# Altium PCB MBoard.PcbDoc (part 1 of 2) (continued)
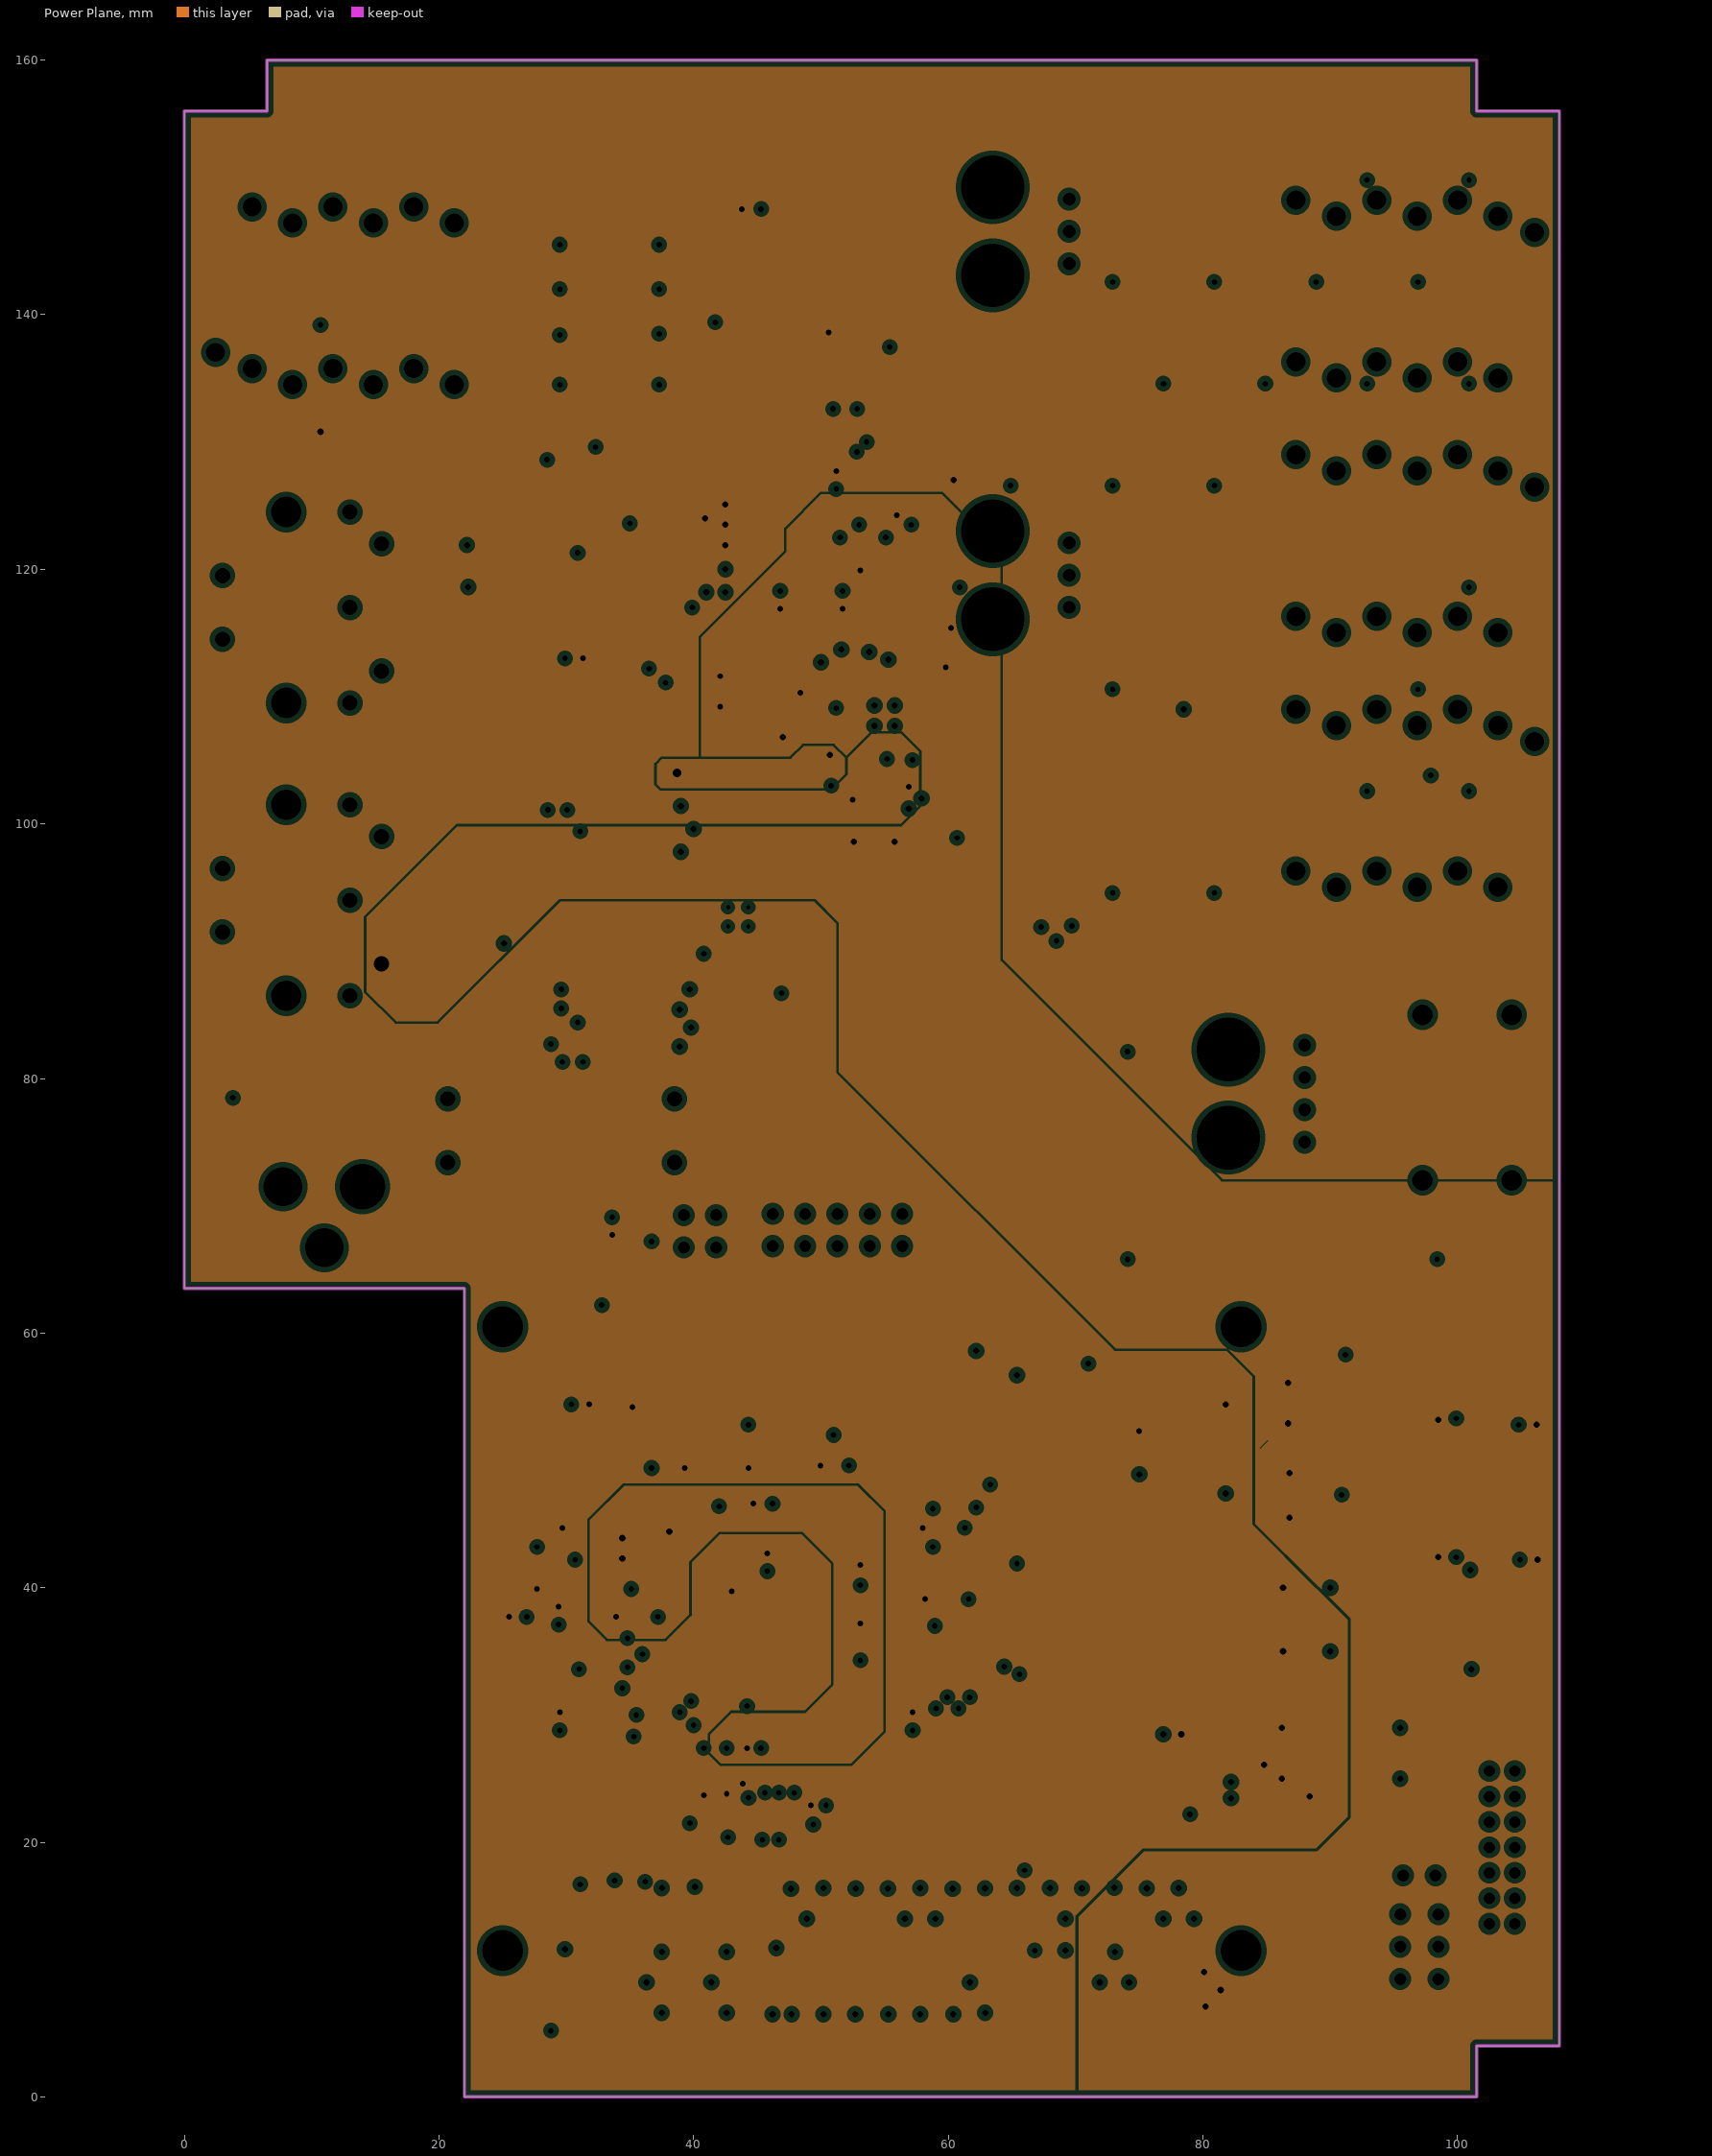
[diagram p3: Power Plane, clearances drawn from the general rule]

## Layer stack, top to bottom
Top Solder: solder mask 0.01, Solder Resist, Dk 3.5
Top Layer: signal copper 0.018
Dielectric 1: prepreg 0.127, FR-4, Dk 4.2
Ground Plane: plane copper 0.035, net (Multiple Nets)
Dielectric 3: core 0.254, FR-4, Dk 4.2
Power Plane: plane copper 0.035, net (Multiple Nets)
Dielectric 4: prepreg 0.127, FR-4, Dk 4.2
Bottom Layer: signal copper 0.018
Bottom Solder: solder mask 0.01, Solder Resist, Dk 3.5

## Board outline
0,63.5 0,156 6.5,156 6.5,160 101.5,160 101.5,156 108,156 108,4 101.5,4 101.5,0 22,0 22,63.5

## Design rules (kind name [scope] priority, off if disabled: settings)
Clearance "Fiducial Mark" [HasFootprint('FIDUCIAL_MARK')] p1: gap=0.5
Clearance Clearance-xPP-xTP-xTT [All] p2: gap=0.15
ComponentClearance [All] p1: gap=0.25 collisioncheckmode=3 verticalgap=0.25 showdistances=FALSE
DiffPairsRouting [All] p1: maxlimit=0.25 minlimit=0.25 mostfreqgap=0.25 toplayer_minwidth=0.381 toplayer_maxwidth=0.381 toplayer_prefwidth=0.381 bottomlayer_minwidth=0.381 bottomlayer_maxwidth=0.381 bottomlayer_prefwidth=0.381 maxuncoupledlength=12.5
Height [All] p1: minheight=0 maxheight=40 prefheight=12.5
HoleSize HoleSize-PTH [All] p1: absolutevalues=TRUE maxlimit=5 minlimit=0.25 maxpercent=80.000 minpercent=20.000
HoleToHoleClearance [All] p1: gap=0.15 allowstackedmicrovias=TRUE
MinimumAnnularRing "Minimum IAR  >0.45mm" [((ObjectKind = 'Pad') OR (ObjectKind = 'Via')) And (Layer = 'MultiLayer') And (HoleDiameter > AsMM(0.45))] p1: minimumring=0.25 // minimum inner annular ring for pads > 0.45mm finished hole size
MinimumAnnularRing "Minimum IAR <=0.45mm" [((ObjectKind = 'Pad') OR (ObjectKind = 'Via')) And (Layer = 'MultiLayer') And (HoleDiameter <= AsMM(0.45))] p2: minimumring=0.225 // minimum inner annular ring for pads <= 0.45mm finished hole size
MinimumSolderMaskSliver [All] p1 off: minsoldermaskwidth=0.1
PlaneClearance PlaneClearance-IPI [All] p1: clearance=0.4
PlaneConnect [All] p1: planeconnectstyle=Relief reliefexpansion=0.4 reliefentries=4 reliefconductorwidth=0.2 reliefairgap=0.2
PolygonConnect PolygonConnect-via [isvia] p1: connectstyle=Direct reliefconductorwidth=0.6 reliefentries=4 polygonreliefangle="90 Angle" airgapwidth=0.254
PolygonConnect PolygonConnect-DCDC [InNet('NetC3_2') Or InNet('5V')] p2: connectstyle=Relief reliefconductorwidth=0.6 reliefentries=4 polygonreliefangle="90 Angle" airgapwidth=0.254
PolygonConnect PolygonConnect-xTW [All] p3: connectstyle=Relief reliefconductorwidth=0.2 reliefentries=4 polygonreliefangle="90 Angle" airgapwidth=0.254
RoutingCorners [All] p1: cornerstyle=45-Degree minsetback=2.5 maxsetback=2.5
RoutingVias "RoutingVias > 0.45mm" [(ObjectKind = 'Via') And (HoleDiameter > AsMM(0.45))] p1: holewidth=0.5 width=1 viastyle="Through Hole" minholewidth=0.45 minwidth=0.95 maxholewidth=0.9 maxwidth=1.4 // finishet hole size > 0.45mm
RoutingVias "RoutingVias <= 0.45mm" [(ObjectKind = 'Via') And (HoleDiameter <= AsMM(0.45))] p2: holewidth=0.3 width=0.8 viastyle="Through Hole" minholewidth=0.25 minwidth=0.7 maxholewidth=0.5 maxwidth=1 // finishet hole size <= 0.45mm
SilkToSilkClearance [All] p1: silktosilkclearance=0.2
SilkToSolderMaskClearance SilkscreenOverComponentPads [IsPad] p1: minsilkscreentomaskgap=0.2 clearancetoexposedcopper=TRUE
SolderMaskExpansion [All] p1: expansion=0.1
Width Width-xTW [All] p1: maxlimit=1.5 minlimit=0.15 preferedwidth=0.2
19 further rules are at their usual default settings.

## Classes and differential pairs
component class U_rpi: C1 C2 J1 JP1 JP2 JP3 R2 R4 R5 U1 U2
component class U_rgb-leds: C57 C58 C59 C60 C70 D5 D6 R31 R32 R60 R61 R62 R63 U16 U17 U18
component class U_power: C3 C4 C5 C6 C7 C8 C9 C10 C11 C12 C13 C43 C47 C48 C61 D1 D7 D16 F1 FB1 J3 L1 R6 R7 R8 R55 U3 U4 U5 U8
component class U_misc: C66 C67 C68 C69 D12 D13 D14 D15 J11 R29 R30 R47 R48 R51 R52 R53 R54
component class U_midi: C42 C71 D4 J4 J5 R18 R19 R20 U7 U10
component class U_jtag: J6 R26 R27 R28
component class U_fpga: C14 C15 C16 C17 C18 C19 C20 C21 C22 C23 C24 C25 C26 C27 C28 C29 C30 C31 C32 C33 C34 C35 C36 C37 C38 C39 C40 C41 D2 D3 JP8 R9 R10 R11 R12 R13 R57 SW1 SW2 U6 Y1
component class U_fpga-prom: C44 C45 C46 R21 R22 R23 R24 R25 U9
component class U_control-pedal: C49 C50 C51 C52 C53 C54 C55 C56 C62 C63 C64 C65 D8 D9 D10 D11 FB2 J8 R33 R34 R43 R44 R45 R46 R49 U11 U12 U13 U14 U15
component class U_cirrus-audio: J2
component class U_audio-connectors: D17 J7 J9 J10 J12 JP5 JP6 JP7 K1 Q3 R50
component class mboard: H1 H2 H3 H4 JP4 R35 R36 R37 R38 R39 R40 R41 R42

## Components (designator, comment, footprint, x,y, rotation, side; value= is the part's Value field where it differs from the comment)
C1 "100nF" SM/C_0603 44.5,147.3 r0 bottom
C2 "100nF" SM/C_0603 77.6,27.4 r180 top
C3 "10nF" SM/C_0603 47.6,96.1 r0 top
C4 "220uF" SM/CT_7343_12_D 45.9,99.4 r180 top
C5 "10uF" SM/C_1206 43.4,82.8 r180 top
C6 "4.7uF" SM/C_1210 43.4,86.3 r180 top
C7 "100nF" SM/C_0603 44.8,42 r270 bottom
C8 "4.7uF" SM/C_0805 40.6,121.1 r270 top
C9 "2.2uF" SM/C_0805 38.4,41.4 r270 bottom
C10 "22uF" SM/C_0805 38.8,112.2 r180 top
C11 "2.2uF" SM/C_0805 38.8,113.9 r180 top
C12 "10nF" SM/C_0805 34.8,113.9 r0 top
C13 "4.7uF" SM/C_1210 32.6,86.2 r180 top
C14 "10nF" SM/C_0603 26.2,36.7 r0 top
C15 "10uF" SM/C_1206 39.1,25.6 r90 bottom
C16 "100nF" SM/C_0603 45.1,25.8 r90 bottom
C17 "100nF" SM/C_0603 42.6,25.8 r90 bottom
C18 "100nF" SM/C_0603 49.7,23.9 r0 top
C19 "10uF" SM/C_1206 28.9,41.5 r90 top
C20 "100nF" SM/C_0603 30.5,29.5 r270 top
C21 "100nF" SM/C_0603 30.7,44 r270 top
C22 "100nF" SM/C_0603 30.7,40.2 r90 top
C23 "10uF" SM/C_1206 38.1,52 r180 bottom
C24 "100nF" SM/C_0603 38,50.5 r180 bottom
C25 "100nF" SM/C_0603 50,51.3 r90 bottom
C26 "10uF" SM/C_1206 58.6,39.1 r0 top
C27 "100nF" SM/C_0603 57.1,43.2 r0 top
C28 "100nF" SM/C_0603 57.3,36.4 r0 top
C29 "100nF" SM/C_0603 56.2,29.5 r270 top
C30 "10uF" SM/C_1206 58.4,44.7 r0 top
C31 "100nF" SM/C_0603 57.3,37.6 r0 top
C32 "100nF" SM/C_0603 57.1,46.2 r0 top
C33 "100nF" SM/C_0603 44.3,51.1 r90 bottom
C34 "100nF" SM/C_0603 30.4,37.8 r270 top
C35 "100nF" SM/C_0603 40.8,25.8 r90 bottom
C36 "10uF" SM/C_1206 36.3,41.5 r270 bottom
C37 "100nF" SM/C_0603 52,35.7 r270 bottom
C38 "100nF" SM/C_0603 52,41 r270 bottom
C39 "100nF" SM/C_0603 45.4,45.6 r0 bottom
C40 "100nF" SM/C_0603 35.6,37.7 r0 bottom
C41 "100nF" SM/C_0603 44.2,29.1 r90 bottom
C42 "100nF" SM/C_0603 30.6,114 r0 bottom
C43 "22uF" SM/C_0805 44.3,104.1 r180 top
C44 "100nF" SM/C_0603 30.2,68.4 r90 top
C45 "100nF" SM/C_0603 31.4,68.4 r90 top
C46 "100nF" SM/C_0603 32.6,68.4 r90 top
C47 "220uF" SM/CT_7343_12_D 32.6,99.4 r180 top
C48 "100nF" SM/C_0603 44.2,106 r180 top
C49 "100nF" SM/C_0603 51.5,104 r180 top
C50 "100nF" SM/C_0603 51.2,107.5 r90 top
C51 "100nF" SM/C_0603 56.3,118.8 r270 top
C52 "4.7uF" SM/C_0805 54.9,118.5 r270 top
C53 "100nF" SM/C_0603 52.7,117.6 r90 bottom
C54 "100nF" SM/C_0603 52.2,127 r270 bottom
C55 "100nF" SM/C_0603 55.2,125.2 r180 bottom
C56 "100nF" SM/C_0603 47.7,117.6 r90 bottom
C57 "1uF" SM/C_0603 99.2,43.5 r0 top
C58 "1uF" SM/C_0603 105.6,43.3 r180 top
C59 "1uF" SM/C_0603 99.2,54.3 r0 top
C60 "1uF" SM/C_0603 105.5,53.9 r180 top
C61 "100nF" SM/C_0805 10.8,74.8 r0 bottom
C62 "22pF" SM/C_0603 87.3,104.5 r270 bottom
C63 "22pF" SM/C_0603 93.6,104.5 r270 bottom
C64 "22pF" SM/C_0603 90.5,104.5 r270 bottom
C65 "22pF" SM/C_0603 96.8,104.5 r270 bottom
C66 "22pF" SM/C_0603 21.2,138.5 r90 bottom
C67 "22pF" SM/C_0603 14.9,138.5 r90 bottom
C68 "22pF" SM/C_0603 18,138.5 r90 bottom
C69 "22pF" SM/C_0603 11.7,138.5 r90 bottom
C70 "100nF" SM/C_0603 75,50.6 r270 top
C71 "100nF" SM/C_0603 24.4,91.7 r180 top
D1 "B340A" "SM/D_DO214-AC (SMA)" 47.9,91.4 r270 top
D2 "HSMG-A100-J02J1" PLCC_2 92.5,29 r0 top
D3 "HSMG-A100-J02J1" PLCC_2 92.5,25 r0 top
D4 "Diode/A1C2" SM/D_SOD123-A1C2 24,120.3 r270 top
D5 "APFA3010SEEZGQBDC" APFA3010 106.1,46.4 r270 top
D6 "APFA3010SEEZGQBDC" APFA3010 106,57 r270 top
D7 "SMAJ20A-TR" "SM/D_DO214-AC (SMA)" 32.6,82.7 r0 top
D8 "SMAJ6.5A-TR" "SM/D_DO214-AC (SMA)" 70.5,102 r0 top
D9 "SMAJ6.5A-TR" "SM/D_DO214-AC (SMA)" 70.5,98.5 r0 top
D10 "SMAJ6.5A-TR" "SM/D_DO214-AC (SMA)" 70.5,109 r0 top
D11 "SMAJ6.5A-TR" "SM/D_DO214-AC (SMA)" 70.5,105.5 r0 top
D12 "SMAJ5.0A-TR" "SM/D_DO214-AC (SMA)" 33.5,134.5 r180 top
D13 "SMAJ5.0A-TR" "SM/D_DO214-AC (SMA)" 33.5,142 r180 top
D14 "SMAJ5.0A-TR" "SM/D_DO214-AC (SMA)" 33.5,138.5 r180 top
D15 "SMAJ5.0A-TR" "SM/D_DO214-AC (SMA)" 33.5,145.5 r180 top
D16 "APA3010ZGC-GX" S_1101F_GREEN 2.6,80.2 r90 top
D17 "B340A" "SM/D_DO214-AC (SMA)" 55.626,133.096 r270 top
F1 "Fuse" "5x20 LittelFuse 111 50x" 29.6,75.901 r0 top
FB1 "LM21PG221SN1D" SM/L_0805 41,110.4 r180 top
FB2 "LM21PG221SN1D" SM/L_0805 68.5,93 r270 top
FM1 "Fiducial_Mark" FIDUCIAL_MARK 105,6 r0 top
FM2 "Fiducial_Mark" FIDUCIAL_MARK 105,153 r0 top locked
FM3 "Fiducial_Mark" FIDUCIAL_MARK 25,6 r0 top locked
FM4 "Fiducial_Mark" FIDUCIAL_MARK 3,153 r0 top locked
FM5 "Fiducial_Mark" FIDUCIAL_MARK 105,6 r0 bottom
FM6 "Fiducial_Mark" FIDUCIAL_MARK 25,6 r0 bottom
FM7 "Fiducial_Mark" FIDUCIAL_MARK 105,153 r0 bottom
FM8 "Fiducial_Mark" FIDUCIAL_MARK 3,153 r0 bottom
H1 "M3" "HOLE_3.2MM - No Plated" 25,11.5 r90 top locked
H2 "M3" "HOLE_3.2MM - No Plated" 83,11.5 r90 top locked
H3 "M3" "HOLE_3.2MM - No Plated" 83,60.5 r90 top locked
H4 "M3" "HOLE_3.2MM - No Plated" 25,60.5 r90 top locked
J1 "SSM-120-L-DV" SSM-120 54,11.5 r0 bottom locked
J2 "TSM-120-01-L-DV" TSM-120-04-L-DV 54,11.5 r0 top
J3 "RAPC722X" RAPC722X 7.51,71.5 r180 top
J4 "MIDI_JACK_5P" "CUI SDS-50J MiniDIN" 13,109.5 r270 top
J5 "MIDI_JACK_5P" "CUI SDS-50J MiniDIN" 13,86.5 r270 top
J6 "HEADER_14" "MALE BOX HEADER 2MM 14P" 103.5,19.6 r270 top
J7 "Jack-3.5mm" CON_JACK_3.5MM_SMD_Switchcraft_35RASMT2BHNTRX 104.25,72 r180 top
J8 "NSJ12HF-1" NSJ12HF-1 100,109 r0 top
J9 "NSJ12HF-1" NSJ12HF-1 100,149 r0 top
J10 "NSJ12HF-1" NSJ12HF-1 100,129 r0 top
J11 "NSJ12HF-1" NSJ12HF-1 8.5,134.5 r180 top
J12 "Jack-3.5mm" CON_JACK_3.5MM_SMD_Switchcraft_35RASMT2BHNTRX 104.25,85 r180 top
JP1 "HEADER_3" BLKCON.100/VH/TM1SQ/W.100/3 95.5,11.8 r90 top
JP2 "HEADER_3" BLKCON.100/VH/TM1SQ/W.100/3 98.5,11.8 r90 top
JP3 "JUMPER" BLKCON.100/VH/TM1SQ/W.100/2 97,17.4 r180 top
JP4 "HEADER_2X2" "AMPMODU HV-100/VH/TM2OE/W.200/2x2_F" 40.5,68 r90 top
JP5 "HEADER_4_AUDIO" HEADER4_WIRE 88,75 r0 top
JP6 "HEADER_3_AUDIO" HEADER3_WIRE 69.5,144 r0 top
JP7 "HEADER_3_AUDIO" HEADER3_WIRE 69.5,117 r0 top
JP8 "HEADER_5X2" BLKCON.100/VH/TM2OE/W.200/10 51.3,68.1 r0 top
K1 "EF2-3NU" EF2-NU 65.5,133 r0 top
L1 "18uH" BOURNS_1260 55.9,90.35 r90 top
Q3 "FDV301N" SOT23 55.306,138.558 r270 top
R2 "3K9" SM/R_0603 84.1,22.1 r180 top
R4 "3K9" SM/R_0603 84.1,23.5 r180 top
R5 "1K" SM/R_0603 84.1,24.9 r180 top
R6 "10K" SM/R_0603 46.3,102.45 r180 top
R7 "3.24K" SM/R_0603 43.8,102.45 r0 top
R8 "330K" SM/R_0603 37.5,124.3 r180 top
R9 "33R" SM/R_0603 30.4,35.4 r90 top
R10 "110R" SM/R_0603 88,29 r0 top
R11 "110R" SM/R_0603 88,25 r0 top
R12 "10K" SM/R_0603 88,35 r0 top
R13 "10K" SM/R_0603 88,40 r0 top
R18 "220R" SM/R_0603 35.5,119.1 r90 bottom
R19 "220R" SM/R_0603 24,112.7 r90 top
R20 "220R" SM/R_0603 23,98.3 r90 top
R21 "100R" SM/R_0603 31.8,56 r90 top
R22 "100R" SM/R_0603 30.4,56 r270 top
R23 "33R" SM/R_0603 29.5,60.6 r270 top
R24 "4K7" SM/R_0603 35.2,52.6 r270 top
R25 "4K7" SM/R_0603 35.2,55.8 r90 top
R26 "10K" SM/R_0603 93.4,22.9 r270 bottom
R27 "10K" SM/R_0603 91.4,22.9 r270 bottom
R28 "10K" SM/R_0603 89.4,22.9 r270 bottom
R29 "100K" SM/R_0603 21.2,131.5 r90 bottom
R30 "100K" SM/R_0603 14.9,131.5 r90 bottom
R31 "57k6" SM/R_0603 92.5,47.3 r0 top
R32 "57k6" SM/R_0603 92.8,58.3 r0 top
R33 "100R" SM/R_0603 76.5,98.5 r180 top
R34 "100R" SM/R_0603 76.5,102 r180 top
R35 "0R" SM/R_0603 48,22.1 r90 bottom
R36 "0R" SM/R_0603 63.5,18.5 r270 top
R37 "0R" SM/R_0603 46.7,22.1 r90 bottom
R38 "0R" SM/R_0603 34.9,18.6 r270 top
R39 "0R" SM/R_0603 31,18.6 r90 top
R40 "0R" SM/R_0603 39,23.7 r180 top
R41 "0R" SM/R_0603 45.4,22.1 r90 bottom
R42 "0R" SM/R_0603 32.808,18.6 r270 top
R43 "100R" SM/R_0603 76.5,105.5 r180 top
R44 "10K" SM/R_0603 57.6,103.9 r0 top
R45 "200R" SM/R_0603 58.2,112.3 r0 top
R46 "200R" SM/R_0603 50,110.3 r0 top
R47 "100K" SM/R_0603 18,131.5 r90 bottom
R48 "100K" SM/R_0603 11.7,131.5 r90 bottom
R49 "100R" SM/R_0603 76.5,109 r180 top
R50 "10K" SM/R_0603 52.106,138.558 r270 top
R51 "100R" SM/R_0603 27.5,142 r0 top
R52 "100R" SM/R_0603 27.5,134.5 r0 top
R53 "100R" SM/R_0603 27.6,145.5 r0 top
R54 "100R" SM/R_0603 27.5,138.5 r0 top
R55 "150R" SM/R_0603 23.3,86.5 r270 top
R57 "100K" SM/R_0603 51,48.3 r180 bottom
R60 "3K9" SM/R_0603 85,45.5 r180 top
R61 "3K9" SM/R_0603 85,49 r180 top
R62 "3K9" SM/R_0603 85,52.9 r180 top
R63 "3K9" SM/R_0603 85,56.1 r180 top
SW1 "SW_PUSHBUTTON" "TE Connectivity_SWITCH_SERIES-FSMSM" 96.5,35 r180 top
SW2 "SW_PUSHBUTTON" "TE Connectivity_SWITCH_SERIES-FSMSM" 96.5,40 r180 top
U1 "MCP23008T-E/SO" "SOIC-18 - W" 48.7,145.7 r270 bottom
U2 "CAT24C32" "SOIC-8 - N" 77.7,24.1 r270 top
U3 "TPS5431" "SOIC-8 - N - Power Pad" 43.5,92.7 r180 top
U4 "LP2989IMX-3.3" "SOIC-8 - N" 36.9,119.3 r0 top
U5 "TLV70212DBV" SOT23-5 41.7,41.5 r270 bottom
U6 "XC6SLX9-2TQG144C" TQFP-144 43.5,37 r180 top
U7 "6N138S" SDIP-8 28.5,120 r90 bottom
U8 "TL750L08CD" "SOIC-8 - N" 32.6,92.7 r180 top
U9 "XCF04S" TSSOP-20 33.8,62.3 r90 top
U10 "SN74AHCT1G125DBVR" SOT23-5 24.5,94 r90 top
U11 "MAX11644EUA+" uMAX-8 58.5,117.5 r90 top
U12 "ADG2188" "VFQFN-32_(32-Lead LFCSP_VQ)" 55,108.5 r180 top
U13 "MCP4561-103E/MS" MSOP-8 55,117.5 r0 bottom
U14 "TCA9406DCU" VSSOP-8 53.6,126.3 r0 bottom
U15 "MCP4561-503E/MS" MSOP-8 50,117.5 r0 bottom
U16 "NCP5623DTBR2G" TSSOP-14 99,46.8 r180 top
U17 "NCP5623DTBR2G" TSSOP-14 99,57.5 r180 top
U18 "PCA9543APW" TSSOP-14 78.8,50.9 r90 top
Y1 "OSCILLATOR_2" "ABRACON_OSCILLATOR_ASFL1 SERIES" 26.9,33.8 r0 top

## Footprints (in the part's own frame and the unit in brackets; to place one, negate y for a bottom-side part, rotate by r counter-clockwise, add the part's x,y. Pads: shape width x height; smd on the part's side, far side on the other; paste and mask are expansions set on the pad)
"5x20 LittelFuse 111 50x" [mm] "Clip porte fusible LittelFuse - 5x20 (.70\") - 111 50x"
  round 2.4 hole 1.2: 1(-8.9,-2.5) 1(-8.9,2.5) 2(8.9,-2.5) 2(8.9,2.5)
  silkscreen extent -11.68,-2.93 11.68,2.93, body extent -11.28,-2.5 11.28,2.5, height 7.5
"ABRACON_OSCILLATOR_ASFL1 SERIES" [mm] "3.3V HCMOS / TTL COMPATIBLE CRYSTAL CLOCK OSCILLATOR Abracon ASFL1 Series (5x3.2x1.1mm) SMD"
  rect 1.7x1.5 smd: 1(-1.27,-1.1) 2(1.27,-1.1) 3(1.27,1.1) 4(-1.27,1.1)
  silkscreen extent -2.72,-2.19 2.5,1.6, body extent -2.47,-1.6 2.53,1.6, height 1.73
"AMPMODU HV-100/VH/TM2OE/W.200/2x2_F" [mil] "AMPMODU HV-100 - Barette double 2.54 - 2x2P Femelle"
  rect 58x58 hole 37: 1(-50,50)
  round 58 hole 37: 2(-50,-50) 3(50,50) 4(50,-50)
  silkscreen extent -100,-100 100,100, body extent -100,-100 100,100, height 276
APFA3010 [mm] "LED RGB R/A"
  rect 1x0.9 smd paste+0: 1(-1.5,0.2) 2(1.5,0.2)
  rect 0.4x0.8 smd paste+0: 3(0.4,-0.2) 4(-0.4,-0.2)
  silkscreen extent -1.5,0.2 1.5,1.7, body extent -1.5,0.2 1.5,1.7, height 1
BLKCON.100/VH/TM1SQ/W.100/2 [mil] "Barette 2.54 - 2P"
  rect 58x58 hole 37: 1(-50,0)
  round 58 hole 37: 2(50,0)
  silkscreen extent -100,-50 100,50, body extent -100,-50 100,50, height 330
BLKCON.100/VH/TM1SQ/W.100/3 [mil] "Barette 2.54 - 3P"
  rect 58x58 hole 37: 1(-100,0)
  round 58 hole 37: 2(0,0) 3(100,0)
  silkscreen extent -150,-50 150,50, body extent -148,-49 152,51, height 330
BLKCON.100/VH/TM2OE/W.200/10 [mil] "Barette double 2.54 - 2x5P"
  rect 58x58 hole 37: 1(-200,-50) 10(200,50)
  round 58 hole 37: 2(-200,50) 3(-100,-50) 4(-100,50) 5(0,-50) 6(0,50) 7(100,-50) 8(100,50) 9(200,-50)
  silkscreen extent -250,-100 250,100, body extent -250,-100 250,100, height 330
BOURNS_1260 [mm]
  rect 3.3x5.4 smd paste+0: 1(-5.05,0) 2(5.05,0)
  silkscreen extent -6.25,-6.25 6.25,6.25, body extent -6.25,-6.25 6.25,6.25, height 6.5
CON_JACK_3.5MM_SMD_Switchcraft_35RASMT2BHNTRX [mm] "Connecteurs téléphoniques SMT 3.5 STEREO REEL"
  round 1.6 hole 1.6 unplated: 0(0,0) 0(7,0)
  rect 2.2x2.1 smd: 1(0.8,4.05) 5(-1.1,-4.05)
  rect 2.7x2.1 smd: 4(8.2,-4.05)
  silkscreen extent -6,-2.97 10.87,3.02, body extent -6.02,-4.45 10.97,4.54, height 5.1
"CUI SDS-50J MiniDIN" [mm]
  round 2.5 hole 1.2: 1(0,0) 2(-7.5,0) 3(-15,0) 4(-2.5,2.5) 5(-12.5,2.5) 8(-5,-10) 9(-10,-10)
  round 4.2 hole 2.4 unplated: 6(0,-5) 7(-15,-5)
  silkscreen extent -17.5,-12.5 2.5,3.3, body extent -17.5,-12.5 2.5,3, height 21.1
EF2-NU [mm]
  rect 1.11x3 smd paste+0: 1(-5.08,-3.645) 3(0,-3.645) 4(2.54,-3.645) 5(5.08,-3.645) 8(5.08,3.645) 9(2.54,3.645) 10(0,3.645) 12(-5.08,3.645)
  silkscreen extent -7.5,-3.75 7.5,3.75, body extent -7.5,-3.75 7.5,3.75, height 10